# Altium PCB MCP33151 Eval Board.PcbDoc (part 1 of 3)
Units mil, origin at the board's own origin, x right, y up, seen from the top; angles counter-clockwise.
Board outline 5100 x 3300 mil, 4 copper layers (Top Layer, GND, Layer 3, Bottom Layer), stack 61.627 mil thick; 311 components, 193 nets, 867 pads, 452 vias.
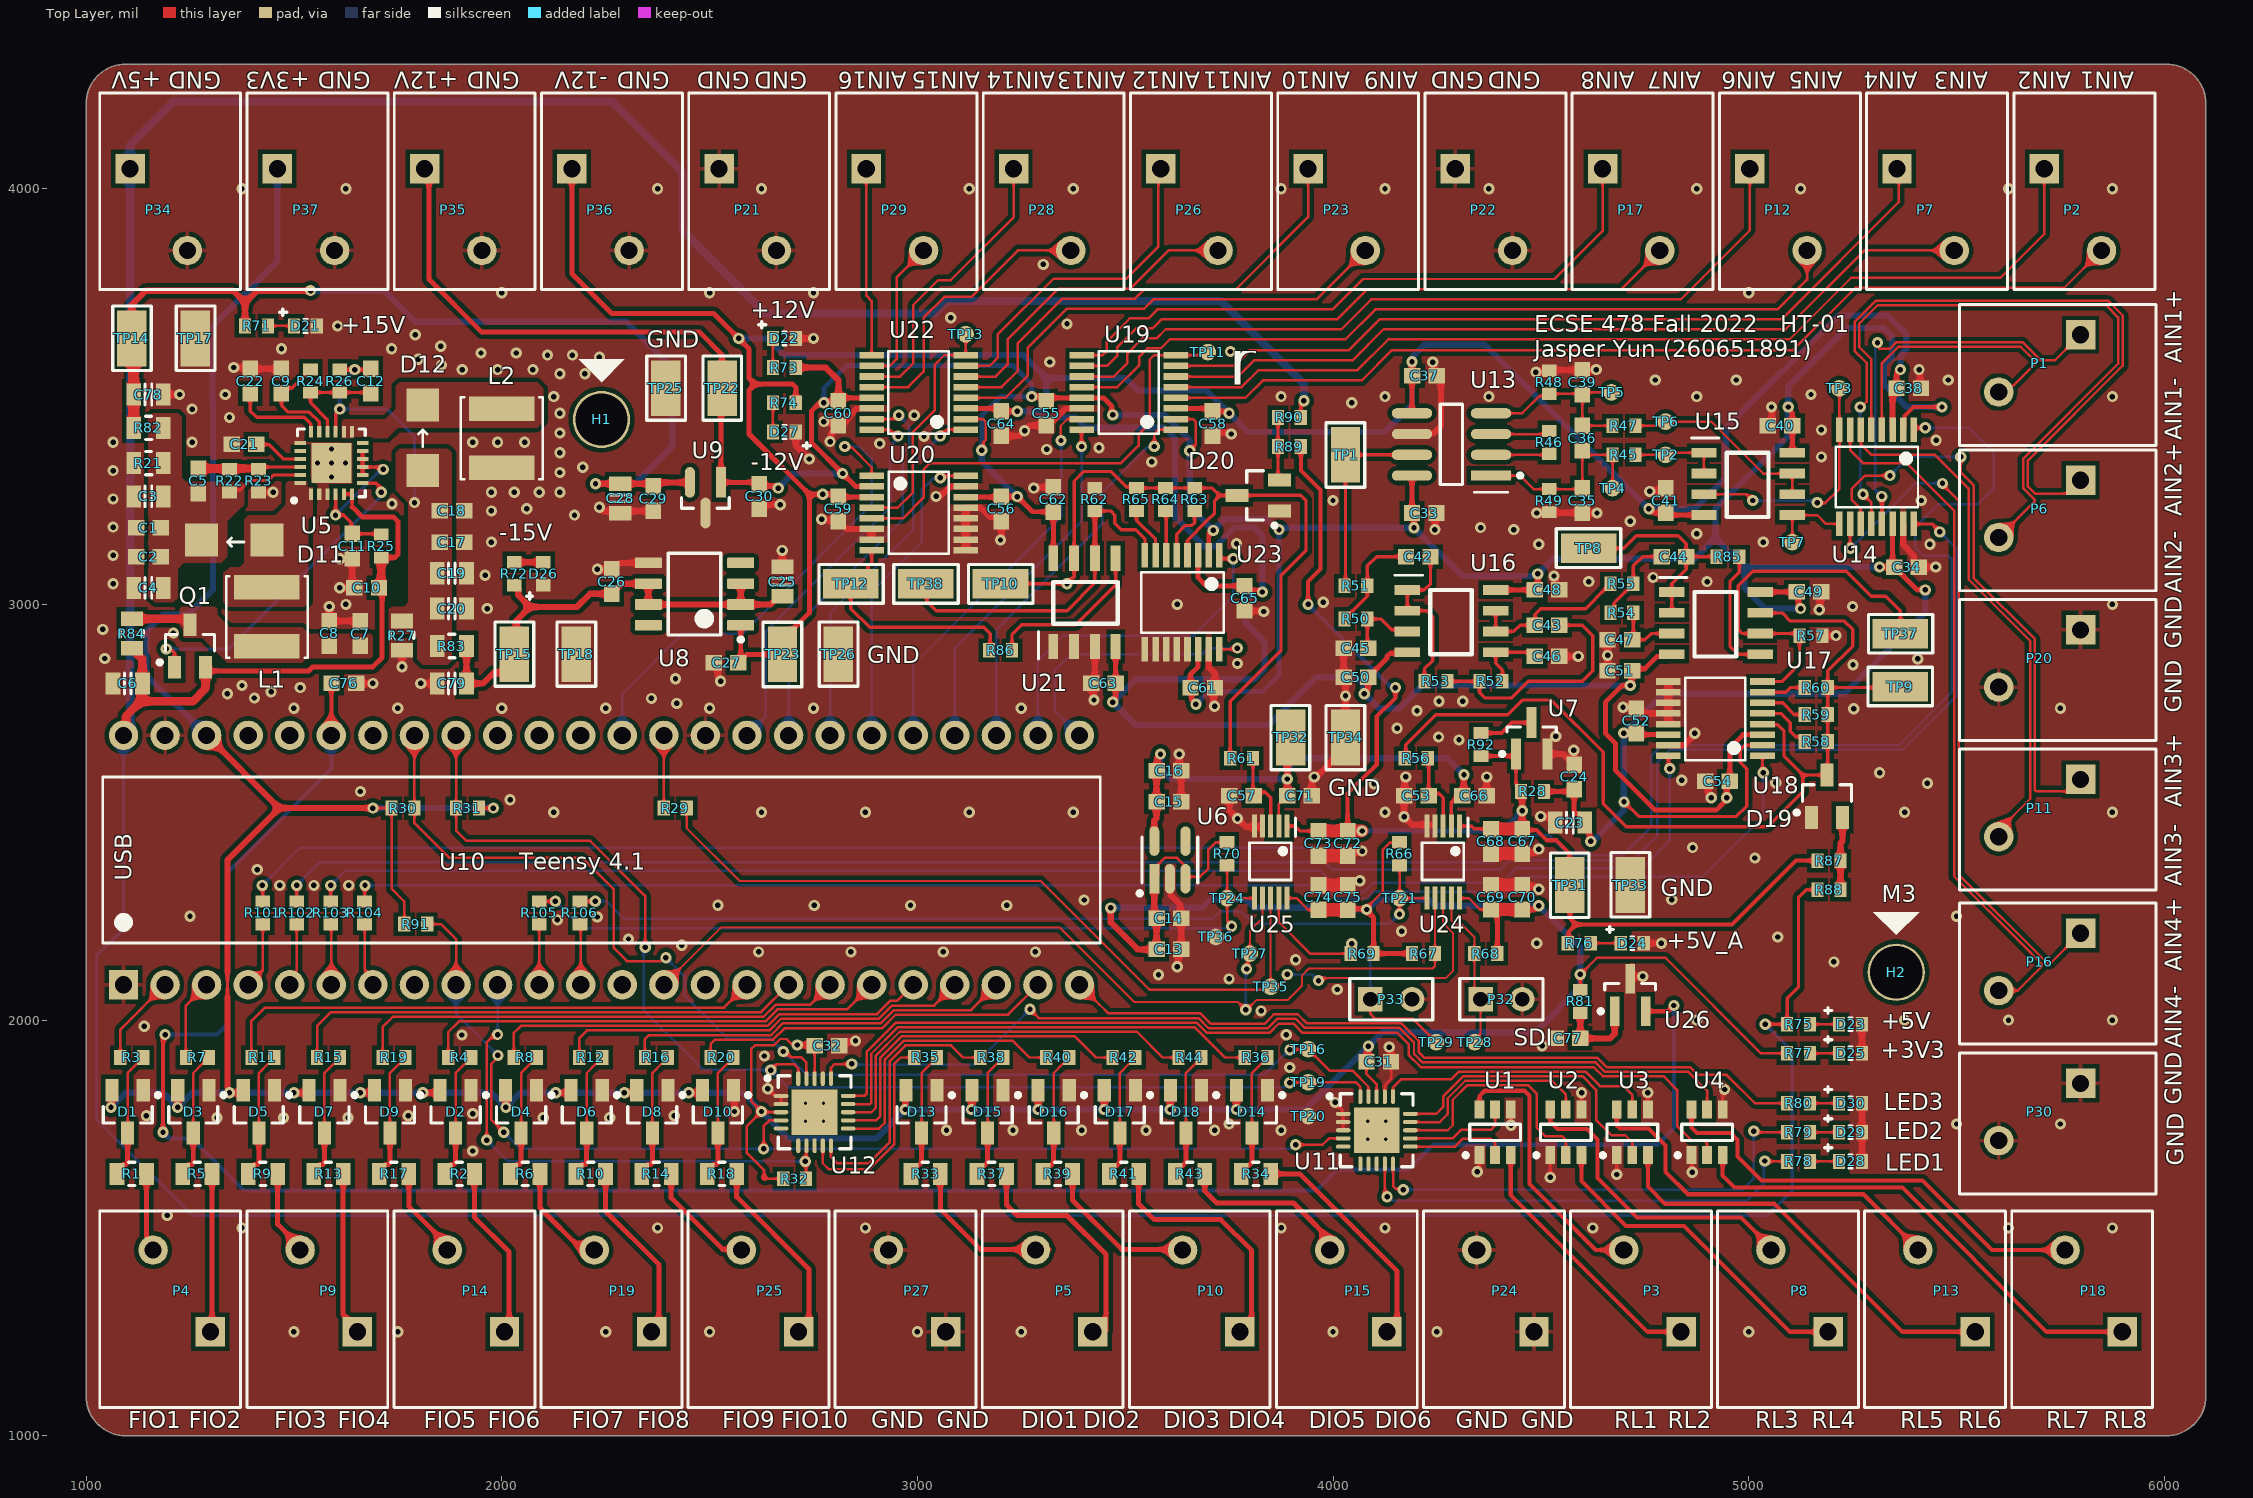
[diagram p0: Top Layer view]
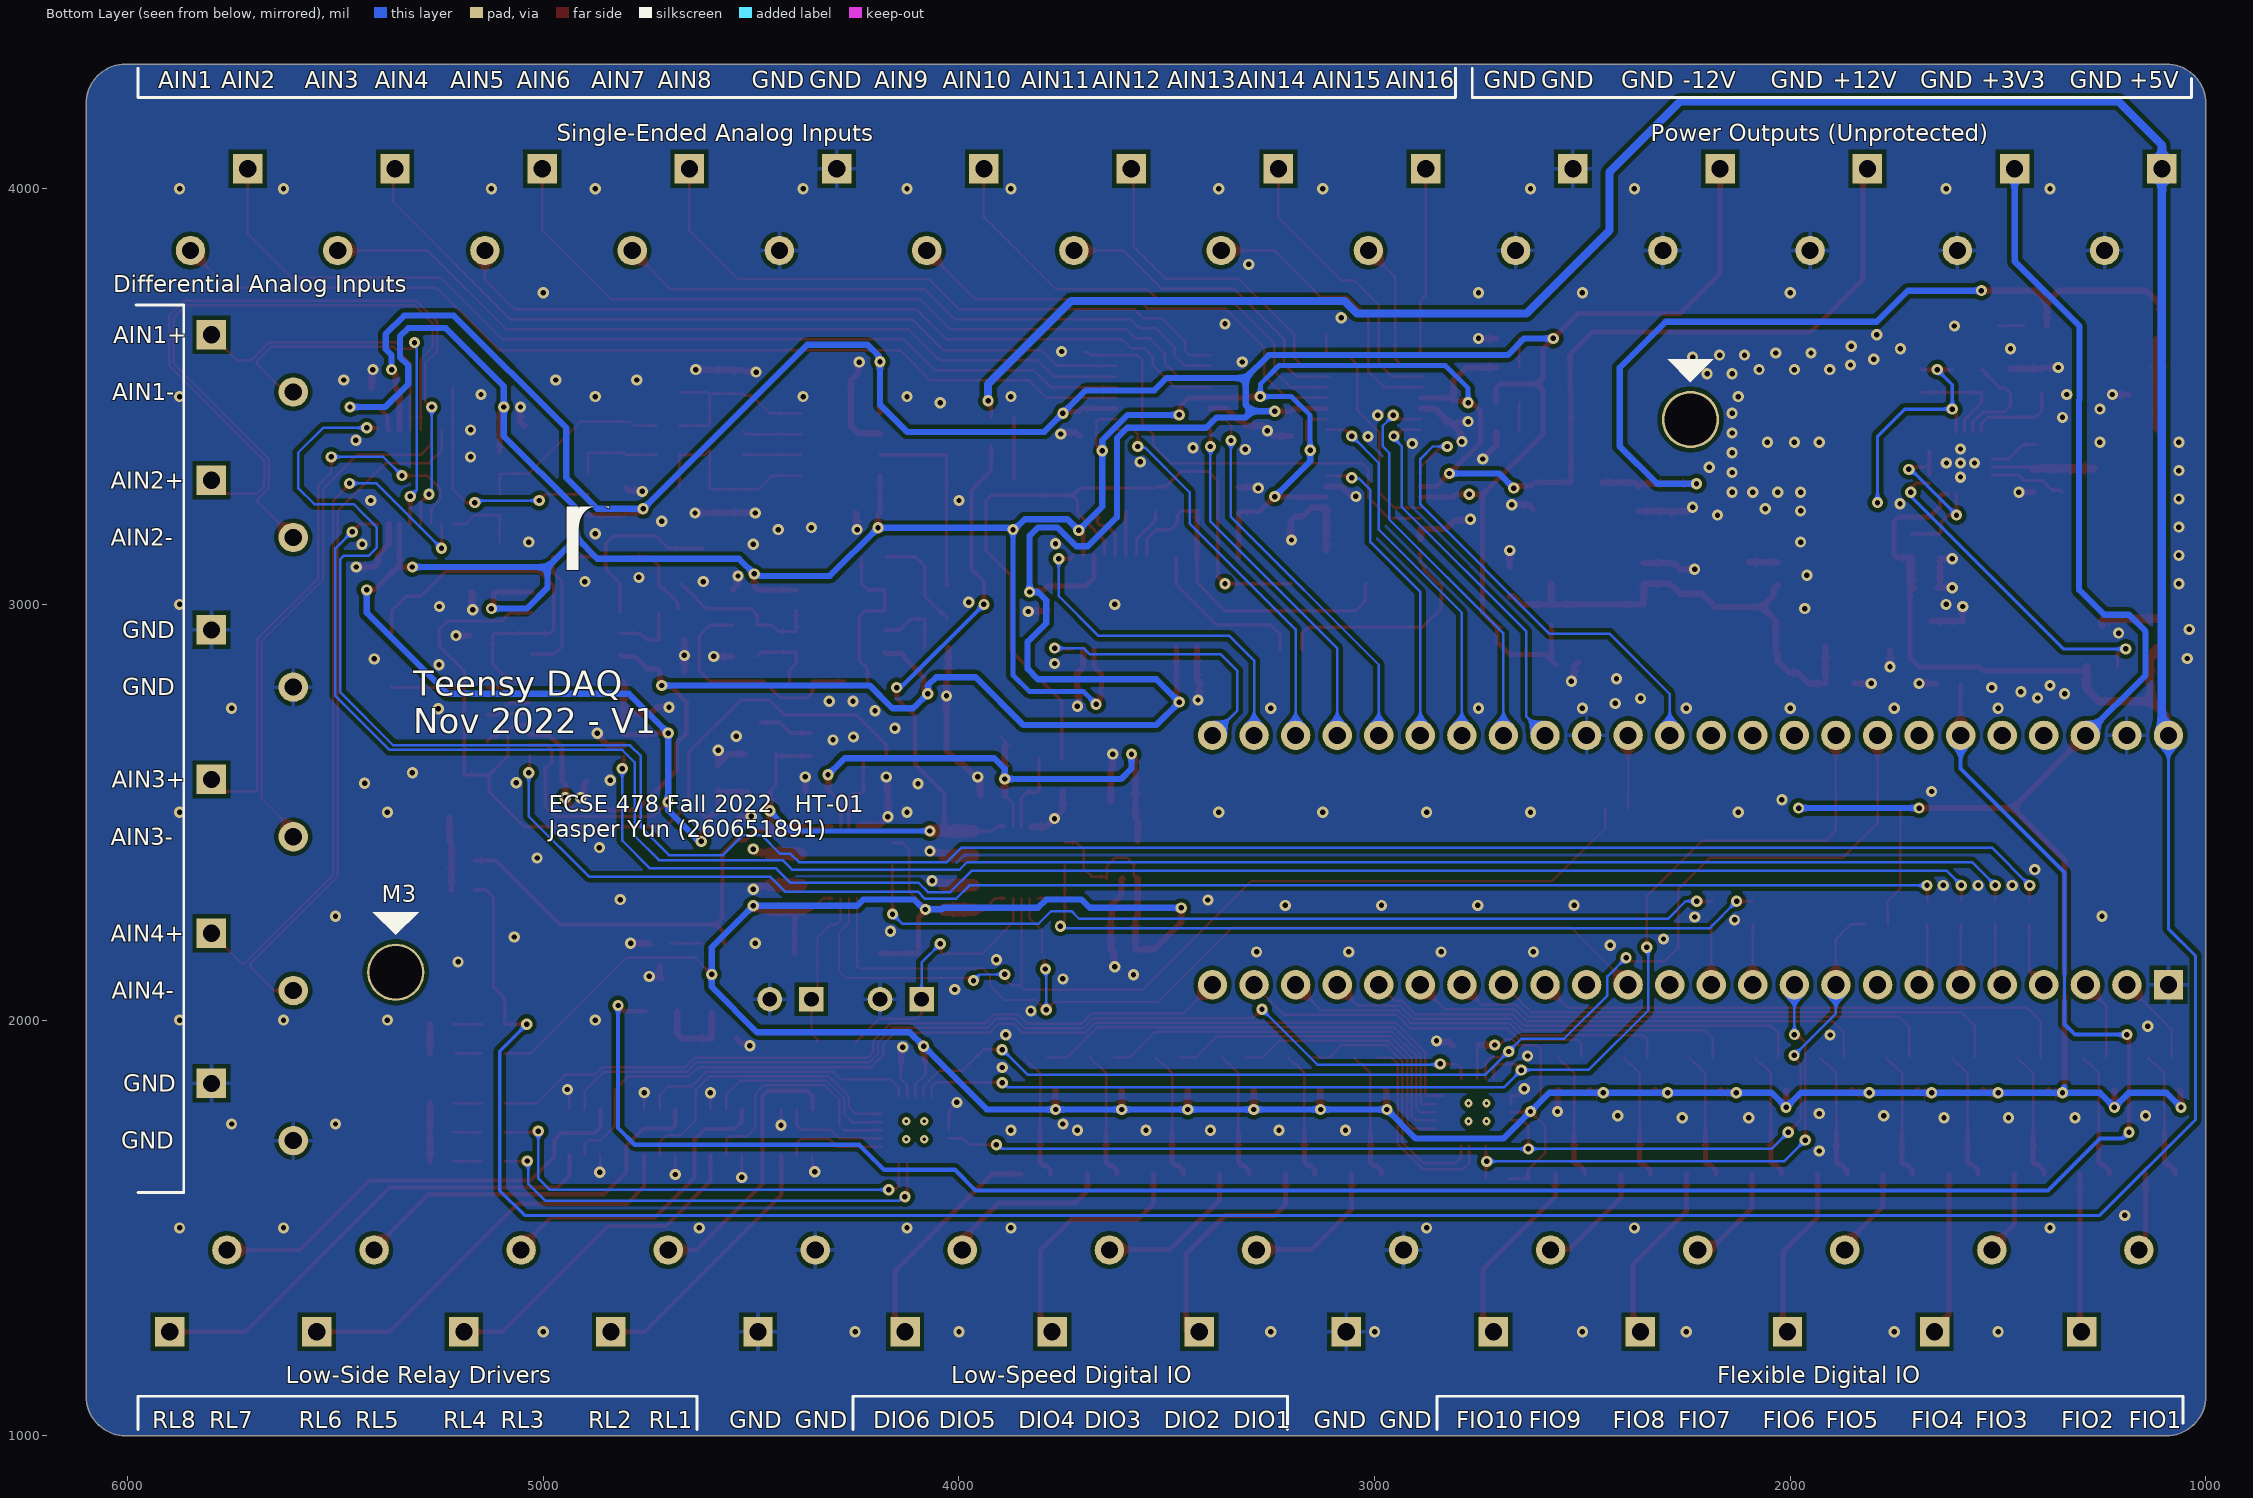
[diagram p1: Bottom Layer view, seen from below]
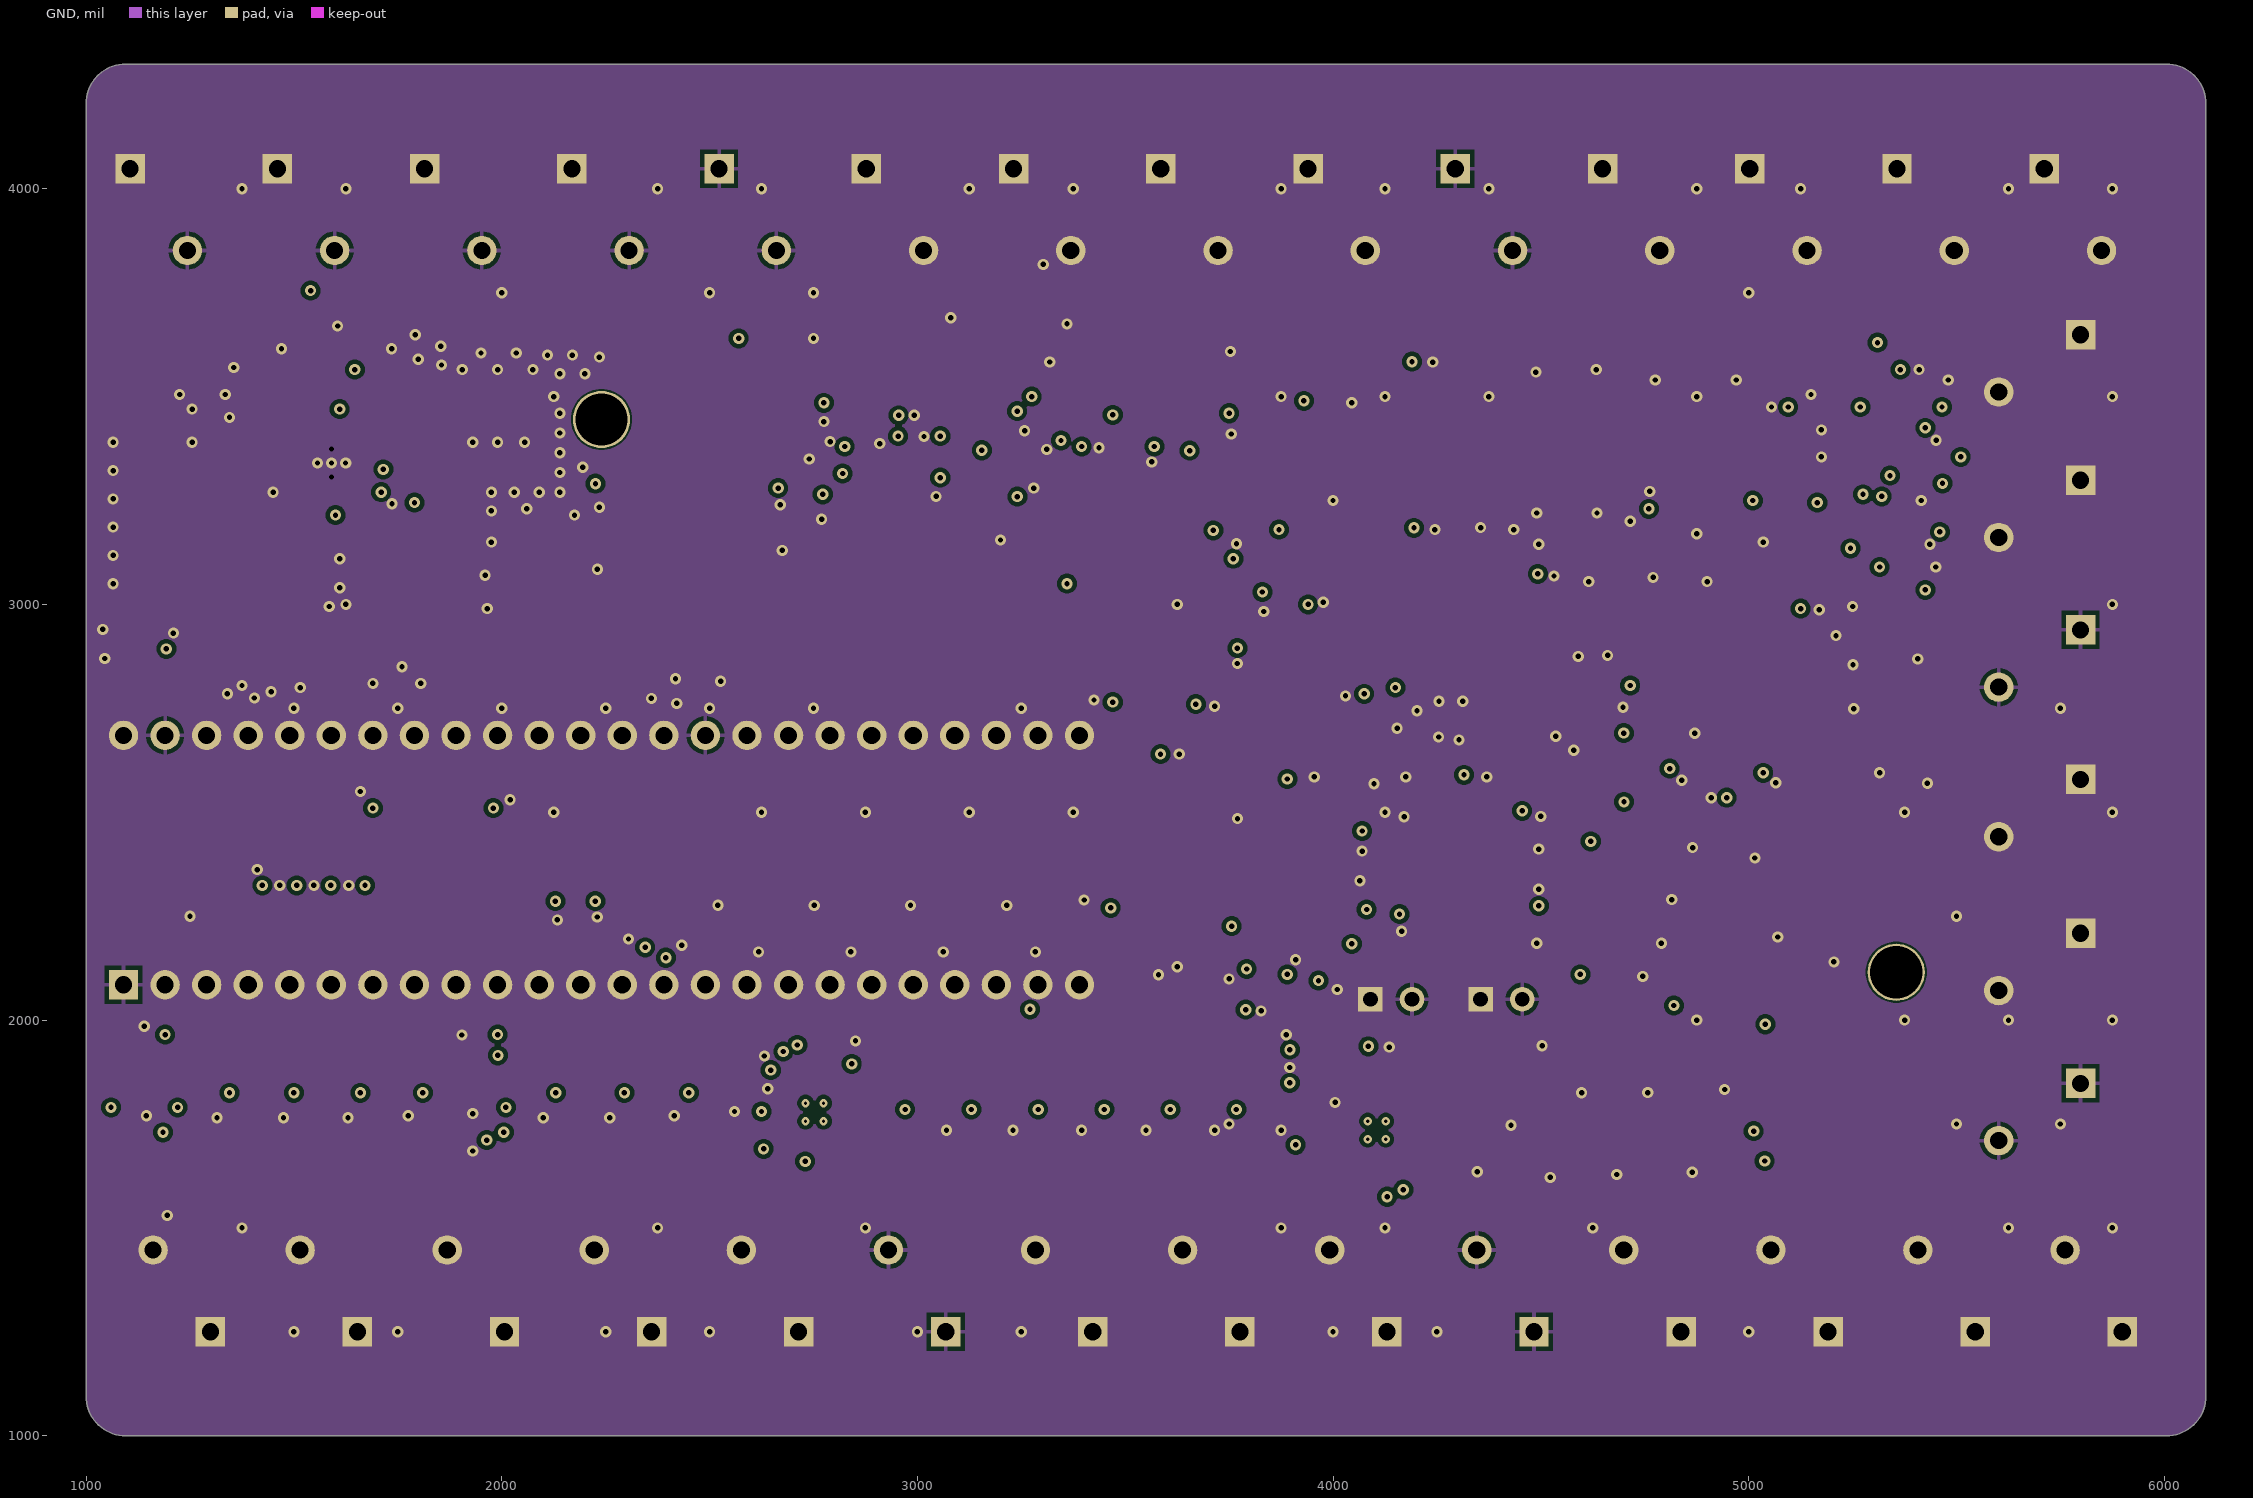
[diagram p2: GND]
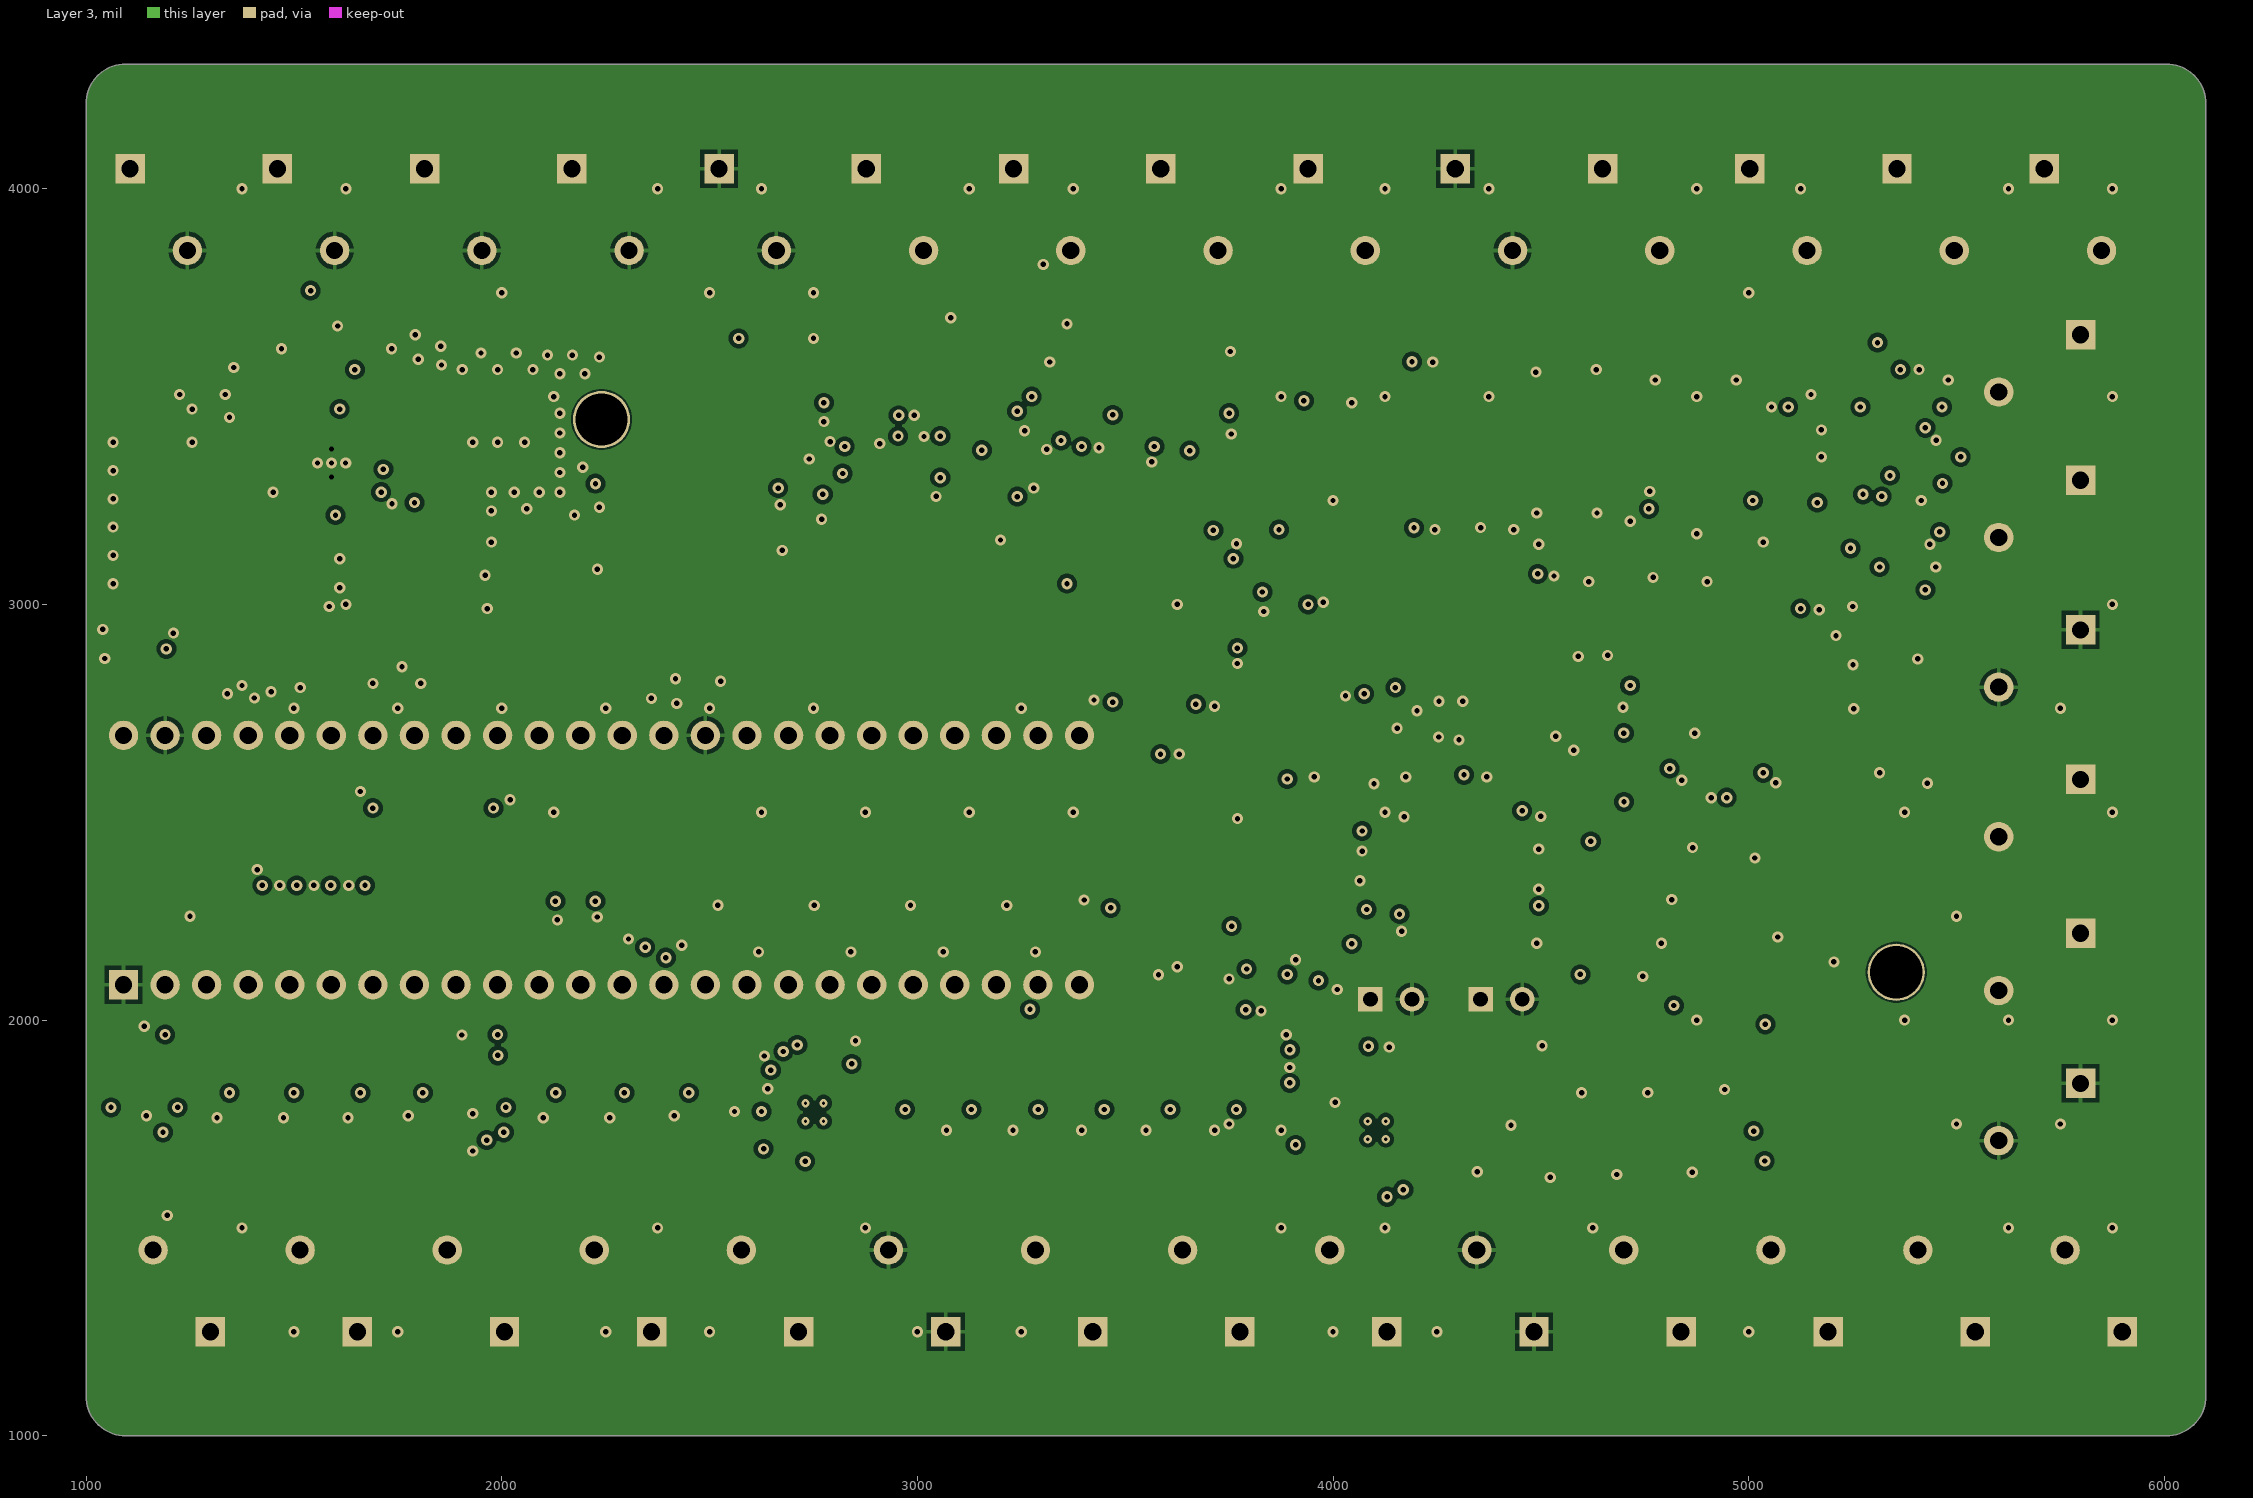
[diagram p3: Layer 3]
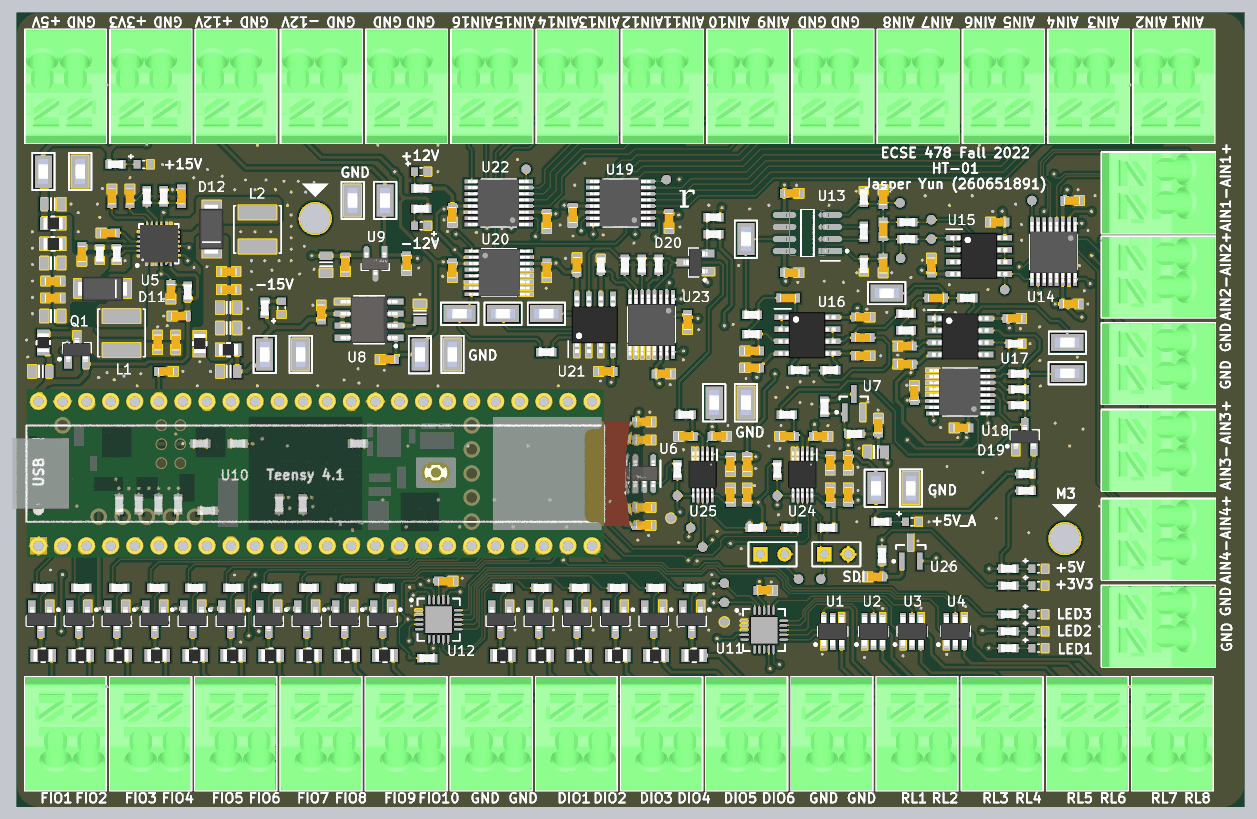
[diagram p6: 3D render of the assembled board from above, using the file's embedded part models]

## Layer stack, top to bottom
Top Solder: solder mask 0.5, Solder Resist, Dk 3.8
Top Layer: signal copper 1.4
Dielectric 2: prepreg 3.9134, PP-006, Dk 4.05
GND: signal copper 0.5984
Dielectric 1: core 49.8031, FR-4, Dk 4.6
Layer 3: signal copper 0.5984
Dielectric 3: prepreg 3.9134, PP-006, Dk 4.05
Bottom Layer: signal copper 1.4
Bottom Solder: solder mask 0.5, Solder Resist, Dk 3.8

## Board outline
1095,1000 6005,1000 ccw(c6005,1095) 6100,1095 6100,4205 ccw(c6005,4205) 6005,4300 1095,4300 ccw(c1095,4205) 1000,4205 1000,1095 ccw(c1095,1095)

## Design rules (kind name [scope] priority, off if disabled: settings)
Clearance SPI [InNetClass('SPI') vs InNetClass('SPI')] p1: gap=10 ignorepadtopadclearanceinfootprint=FALSE except(0: Arc-Hole Track-Hole SMDPad-Hole THPad-Hole Via-Hole Fill-Hole Poly-Hole Region-Hole Text-Hole; 5: SMDPad-SMDPad; 8: Arc-SMDPad Track-SMDPad)
Clearance "AIN LS SE" [InNetClass('AIN_LS_SE') vs InNetClass('AIN_LS_SE')] p2: gap=10 ignorepadtopadclearanceinfootprint=FALSE except(0: Arc-Hole Track-Hole SMDPad-Hole THPad-Hole Via-Hole Fill-Hole Poly-Hole Region-Hole Text-Hole; 5: SMDPad-SMDPad; 8: Arc-SMDPad Track-SMDPad; 18: Arc-Arc Arc-Track Track-Track)
Clearance [All] p3: gap=10 ignorepadtopadclearanceinfootprint=FALSE except(0: Arc-Hole Track-Hole SMDPad-Hole THPad-Hole Via-Hole Fill-Hole Poly-Hole Region-Hole Text-Hole; 5: Arc-Arc Arc-Track Track-Track SMDPad-SMDPad; 8: Arc-SMDPad Track-SMDPad)
DiffPairsRouting [All] p1: maxlimit=10 minlimit=8 mostfreqgap=10 toplayer_minwidth=6 toplayer_maxwidth=15 toplayer_prefwidth=6 midlayer1_minwidth=6 midlayer1_maxwidth=15 midlayer1_prefwidth=6 midlayer2_minwidth=6 midlayer2_maxwidth=15 midlayer2_prefwidth=6 bottomlayer_minwidth=6 bottomlayer_maxwidth=15 bottomlayer_prefwidth=6 maxuncoupledlength=500
HoleSize [All] p1: absolutevalues=TRUE maxlimit=2500 minlimit=1 maxpercent=80.000 minpercent=20.000
PolygonConnect [All] p1: thpad.connectstyle=Relief thpad.reliefconductorwidth=10 thpad.reliefentries=4 thpad.polygonreliefangle="90 Angle" thpad.airgapwidth=10 smdpad.connectstyle=Direct smdpad.reliefconductorwidth=10 smdpad.reliefentries=4 smdpad.polygonreliefangle="90 Angle" smdpad.airgapwidth=10 via.connectstyle=Direct via.reliefconductorwidth=10 via.reliefentries=4 via.polygonreliefangle="90 Angle" via.airgapwidth=10
RoutingVias [All] p1: holewidth=13 width=27 viastyle="Through Hole" minholewidth=13 minwidth=27 maxholewidth=25 maxwidth=50
SolderMaskExpansion [All] p1: expansion=4 istentingtop=FALSE
Width SPI_1 [InNetClass('SPI')] p1: maxlimit=6 minlimit=4 preferedwidth=5 minimp=50.000000 maximp=50.000000 favimp=50.000000
Width [All] p2: maxlimit=50 minlimit=5 preferedwidth=10 toplayer_prefwidth=6 midlayer1_minwidth=6 midlayer2_minwidth=6 bottomlayer_prefwidth=6 minimp=50.000000 maximp=50.000000 favimp=50.000000
28 further rules are at their usual default settings.
